# Altium PCB RK_NVR_DEMO1_RK3588_LP4XD200P232SD8_V21_20211228_final_lint.PcbDoc (part 4 of 29) (continued)
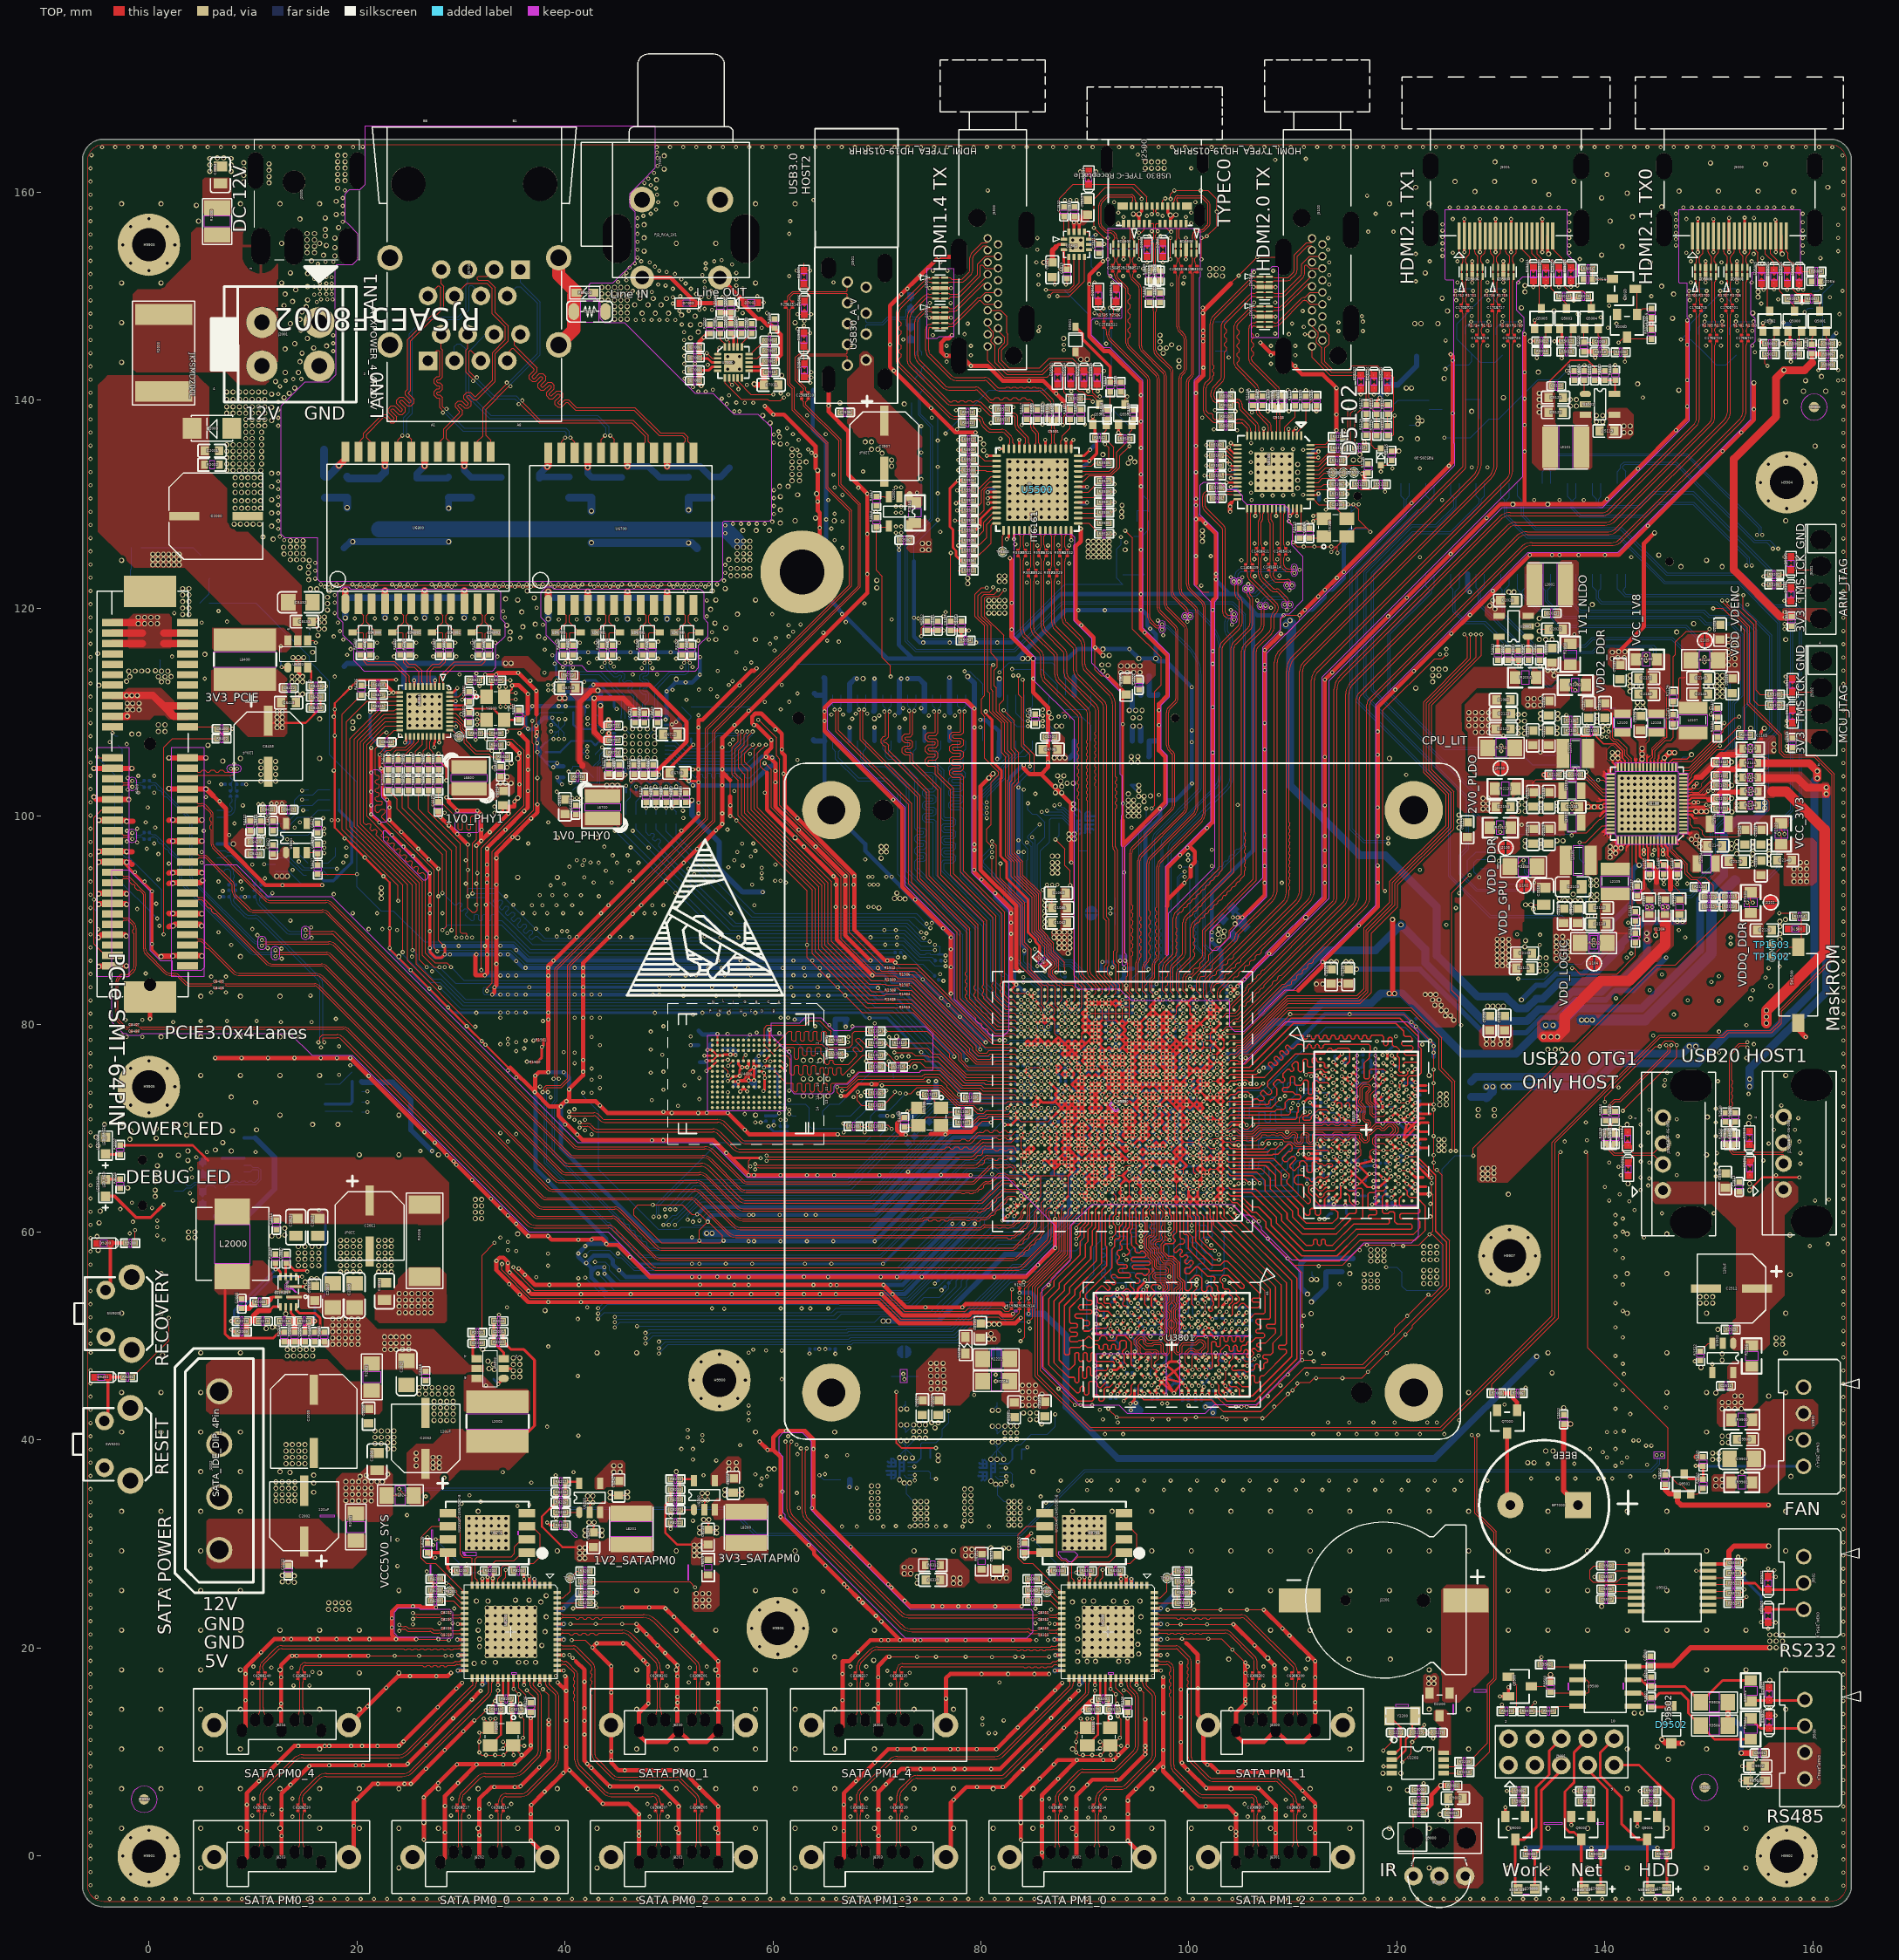
[diagram p0: TOP view]
## Footprints (in the part's own frame and the unit in brackets; to place one, negate y for a bottom-side part, rotate by r counter-clockwise, add the part's x,y. Pads: shape width x height; smd on the part's side, far side on the other; paste and mask are expansions set on the pad) (continued)
Y34(10.725,-1.625)
  TOP lines w0.254: 10.4,10.4 10.075,10.075 ; 10.4,1.3 10.075,0.975 ; 9.75,9.75 9.425,9.425 ; 9.1,9.1 8.775,8.775 ; 3.25,-9.75 2.925,-9.425 ; 1.95,-9.75 1.625,-9.425 ; -1.625,-4.225 -1.95,-4.55 ; -2.275,-4.225 -2.6,-4.55
  TOP keep-out region: -11.5,11.5 -11.5,-11.5 11.5,-11.5 11.5,11.5
  silkscreen extent -12.5,-12.5 12.5,12.5, body extent -11.5,-11.5 11.5,11.5, height 3.81
C0201#1 [mil] "C0201"
  round 1 smd: 1(9.85,0) 2(-9.85,0)
  TOP region: 9.85,-5.91 13.85,-5.91 14.7,-5.58 15.3,-4.89 15.52,-4 15.52,-4 15.52,4.5 15.21,5.22 14.61,5.73 13.85,5.91 13.85,5.91 9.85,5.91 6.9,5.12 4.73,2.95 3.94,0 4.73,-2.95 6.9,-5.12 9.85,-5.91
  TOP region: -9.85,5.91 -13.85,5.91 -14.7,5.58 -15.3,4.89 -15.52,4 -15.52,4 -15.52,-4.5 -15.21,-5.22 -14.61,-5.73 -13.85,-5.91 -13.85,-5.91 -9.85,-5.91 -6.9,-5.12 -4.73,-2.95 -3.94,0 -4.73,2.95 -6.9,5.12 -9.85,5.91
  body extent -22,-12 22,12, height 150
C0201#2 [mil] "C0201"
  round 1 smd: 1(-9.85,0.01) 2(9.85,0.01)
  TOP region: -9.85,5.92 -13.85,5.92 -14.7,5.59 -15.3,4.9 -15.52,4.01 -15.52,4.01 -15.52,-4.49 -15.21,-5.21 -14.61,-5.72 -13.85,-5.9 -13.85,-5.9 -9.85,-5.9 -6.9,-5.11 -4.73,-2.94 -3.94,0.01 -4.73,2.96 -6.9,5.13 -9.85,5.92
  TOP region: 9.85,-5.9 13.85,-5.9 14.7,-5.57 15.3,-4.88 15.52,-3.99 15.52,-3.99 15.52,4.51 15.21,5.23 14.61,5.74 13.85,5.92 13.85,5.92 9.85,5.92 6.9,5.13 4.73,2.96 3.94,0.01 4.73,-2.94 6.9,-5.11 9.85,-5.9
  body extent -22,-12 22,12, height 150
C0201#3 [mil] "C0201"
  round 1 smd: 1(-0.01,-9.86) 2(-0.01,9.85)
  TOP region: -5.91,-9.87 -5.92,-13.87 -5.58,-14.72 -4.89,-15.32 -4,-15.54 -4,-15.54 4.5,-15.54 5.22,-15.23 5.72,-14.63 5.9,-13.87 5.9,-13.87 5.9,-9.87 5.11,-6.92 2.95,-4.76 -0.01,-3.96 -2.96,-4.76 -5.12,-6.92 -5.92,-9.87
  TOP region: 5.9,9.86 5.9,13.85 5.57,14.71 4.88,15.31 3.99,15.53 3.99,15.53 -4.51,15.53 -5.23,15.22 -5.74,14.62 -5.92,13.85 -5.92,13.85 -5.91,9.86 -5.12,6.9 -2.96,4.74 -0.01,3.95 2.95,4.74 5.11,6.9 5.9,9.86
  body extent -22,-12 22,12, height 150
C0201#4 [mil] "C0201"
  round 1 smd: 1(0.01,9.86) 2(0.01,-9.85)
  TOP region: 5.91,9.87 5.92,13.87 5.58,14.72 4.89,15.32 4,15.54 4,15.54 -4.5,15.54 -5.22,15.23 -5.72,14.63 -5.9,13.87 -5.9,13.87 -5.9,9.87 -5.11,6.92 -2.95,4.76 0.01,3.96 2.96,4.76 5.12,6.92 5.92,9.87
  TOP region: -5.9,-9.86 -5.9,-13.85 -5.57,-14.71 -4.88,-15.31 -3.99,-15.53 -3.99,-15.53 4.51,-15.53 5.23,-15.22 5.74,-14.62 5.92,-13.85 5.92,-13.85 5.91,-9.86 5.12,-6.9 2.96,-4.74 0.01,-3.95 -2.95,-4.74 -5.11,-6.9 -5.9,-9.86
  body extent -22,-12 22,12, height 150
C0402#1 [mm] "C0402"
  rect 0.55x0.55 smd: 1(-0.45,0) 2(0.45,0)
  TOP keep-out region: -0.127,-0.381 0.127,-0.381 0.127,0.381 -0.127,0.381
  silkscreen extent -0.9,-0.4 0.9,0.4, body extent -0.9,-0.4 0.9,0.4, height 3.81
C0402#2 [mm] "C0402"
  rect 0.55x0.55 smd: 1(0.45,0) 2(-0.45,0)
  TOP keep-out region: 0.127,0.381 0.127,-0.381 -0.127,-0.381 -0.127,0.381
  silkscreen extent -0.9,-0.4 0.9,0.4, body extent -0.9,-0.4 0.9,0.4, height 3.81
C0402_BGA#1 [mil] "C0402_BGA"
  round 1 smd: 1(-18.5,0) 2(18.5,0)
  TOP region: 19,9.99 18.05,10.04 17.11,9.99 16.17,9.87 15.24,9.66 14.34,9.36 13.47,8.99 12.64,8.54 11.85,8.02 11.11,7.42 10.42,6.77 9.8,6.05 9.25,5.28 8.8,4.38 8.44,3.44 8.17,2.47 7.98,1.48 7.89,0.48 7.89,-0.52 7.98,-1.52 8.17,-2.51 8.44,-3.48 8.8,-4.42 9.25,-5.32 9.78,-6.1 10.38,-6.83 11.05,-7.5 11.79,-8.1 12.57,-8.63 13.41,-9.08 14.28,-9.45 15.18,-9.73 16.11,-9.92 17.05,-10.02 18,-10.03 18.86,-10.04 19.71,-9.95 20.55,-9.78 21.36,-9.52 22.15,-9.17 22.89,-8.75 23.58,-8.25 24.22,-7.68 24.8,-7.04 25.3,-6.35 25.73,-5.61 26.08,-4.83 26.35,-4.01 26.52,-3.17 26.61,-2.32 26.61,2.27 26.53,3.11 26.35,3.94 26.09,4.75 25.75,5.52 25.33,6.26 24.84,6.95 24.28,7.58 23.65,8.15 22.97,8.65 22.24,9.08 21.47,9.44 20.67,9.71 19.84,9.89
  TOP region: -19,-9.99 -18.05,-10.04 -17.11,-9.99 -16.17,-9.87 -15.24,-9.66 -14.34,-9.36 -13.47,-8.99 -12.64,-8.54 -11.85,-8.02 -11.11,-7.42 -10.42,-6.77 -9.8,-6.05 -9.25,-5.28 -8.8,-4.38 -8.44,-3.44 -8.17,-2.47 -7.98,-1.48 -7.89,-0.48 -7.89,0.52 -7.98,1.52 -8.17,2.51 -8.44,3.48 -8.8,4.42 -9.25,5.32 -9.78,6.1 -10.38,6.83 -11.05,7.5 -11.79,8.1 -12.57,8.63 -13.41,9.08 -14.28,9.45 -15.18,9.73 -16.11,9.92 -17.05,10.02 -18,10.03 -18.86,10.04 -19.71,9.95 -20.55,9.78 -21.36,9.52 -22.15,9.17 -22.89,8.75 -23.58,8.25 -24.22,7.68 -24.8,7.04 -25.3,6.35 -25.73,5.61 -26.08,4.83 -26.35,4.01 -26.52,3.17 -26.61,2.32 -26.61,-2.27 -26.53,-3.11 -26.35,-3.94 -26.09,-4.75 -25.75,-5.52 -25.33,-6.26 -24.84,-6.95 -24.28,-7.58 -23.65,-8.15 -22.97,-8.65 -22.24,-9.08 -21.47,-9.44 -20.67,-9.71 -19.84,-9.89
  silkscreen extent -20,-18 20,18, body extent -32,-16 32,16, height 150
C0402_BGA#2 [mil] "C0402_BGA"
  round 1 smd: 1(18.5,0) 2(-18.5,0)
  TOP region: -19,-9.99 -18.05,-10.04 -17.11,-9.99 -16.17,-9.87 -15.24,-9.66 -14.34,-9.36 -13.47,-8.99 -12.64,-8.54 -11.85,-8.02 -11.11,-7.42 -10.42,-6.77 -9.8,-6.05 -9.25,-5.28 -8.8,-4.38 -8.44,-3.44 -8.17,-2.47 -7.98,-1.48 -7.89,-0.48 -7.89,0.52 -7.98,1.52 -8.17,2.51 -8.44,3.48 -8.8,4.42 -9.25,5.32 -9.78,6.1 -10.38,6.83 -11.05,7.5 -11.79,8.1 -12.57,8.63 -13.41,9.08 -14.28,9.45 -15.18,9.73 -16.11,9.92 -17.05,10.02 -18,10.03 -18.86,10.04 -19.71,9.95 -20.55,9.78 -21.36,9.52 -22.15,9.17 -22.89,8.75 -23.58,8.25 -24.22,7.68 -24.8,7.04 -25.3,6.35 -25.73,5.61 -26.08,4.83 -26.35,4.01 -26.52,3.17 -26.61,2.32 -26.61,-2.27 -26.53,-3.11 -26.35,-3.94 -26.09,-4.75 -25.75,-5.52 -25.33,-6.26 -24.84,-6.95 -24.28,-7.58 -23.65,-8.15 -22.97,-8.65 -22.24,-9.08 -21.47,-9.44 -20.67,-9.71 -19.84,-9.89
  TOP region: 19,9.99 18.05,10.04 17.11,9.99 16.17,9.87 15.24,9.66 14.34,9.36 13.47,8.99 12.64,8.54 11.85,8.02 11.11,7.42 10.42,6.77 9.8,6.05 9.25,5.28 8.8,4.38 8.44,3.44 8.17,2.47 7.98,1.48 7.89,0.48 7.89,-0.52 7.98,-1.52 8.17,-2.51 8.44,-3.48 8.8,-4.42 9.25,-5.32 9.78,-6.1 10.38,-6.83 11.05,-7.5 11.79,-8.1 12.57,-8.63 13.41,-9.08 14.28,-9.45 15.18,-9.73 16.11,-9.92 17.05,-10.02 18,-10.03 18.86,-10.04 19.71,-9.95 20.55,-9.78 21.36,-9.52 22.15,-9.17 22.89,-8.75 23.58,-8.25 24.22,-7.68 24.8,-7.04 25.3,-6.35 25.73,-5.61 26.08,-4.83 26.35,-4.01 26.52,-3.17 26.61,-2.32 26.61,2.27 26.53,3.11 26.35,3.94 26.09,4.75 25.75,5.52 25.33,6.26 24.84,6.95 24.28,7.58 23.65,8.15 22.97,8.65 22.24,9.08 21.47,9.44 20.67,9.71 19.84,9.89
  silkscreen extent -20,-18 20,18, body extent -32,-16 32,16, height 150
C0402_BGA#3 [mil] "C0402_BGA"
  round 1 smd: 1(0,18.5) 2(0,-18.5)
  TOP region: 9.99,-19 10.04,-18.06 9.99,-17.12 9.87,-16.18 9.66,-15.25 9.36,-14.34 8.99,-13.47 8.54,-12.64 8.02,-11.85 7.42,-11.12 6.77,-10.42 6.05,-9.8 5.28,-9.26 4.38,-8.8 3.44,-8.44 2.47,-8.17 1.48,-7.98 0.48,-7.89 -0.52,-7.89 -1.52,-7.98 -2.51,-8.17 -3.48,-8.44 -4.42,-8.8 -5.32,-9.25 -6.1,-9.78 -6.83,-10.38 -7.5,-11.05 -8.1,-11.79 -8.63,-12.57 -9.09,-13.41 -9.45,-14.28 -9.73,-15.19 -9.92,-16.11 -10.02,-17.05 -10.03,-18 -10.04,-18.87 -9.96,-19.71 -9.78,-20.56 -9.52,-21.36 -9.17,-22.15 -8.75,-22.9 -8.25,-23.58 -7.68,-24.23 -7.04,-24.81 -6.35,-25.3 -5.61,-25.73 -4.83,-26.09 -4.01,-26.35 -3.17,-26.52 -2.32,-26.62 2.27,-26.61 3.11,-26.53 3.94,-26.35 4.75,-26.09 5.52,-25.75 6.26,-25.34 6.95,-24.84 7.58,-24.28 8.15,-23.65 8.65,-22.97 9.08,-22.25 9.44,-21.47 9.71,-20.67 9.89,-19.84
  TOP region: -9.99,19 -10.04,18.06 -9.99,17.12 -9.87,16.18 -9.66,15.25 -9.36,14.34 -8.99,13.47 -8.54,12.64 -8.02,11.85 -7.42,11.12 -6.77,10.42 -6.05,9.8 -5.28,9.26 -4.38,8.8 -3.44,8.44 -2.47,8.17 -1.48,7.98 -0.48,7.89 0.52,7.89 1.52,7.98 2.51,8.17 3.48,8.44 4.42,8.8 5.32,9.25 6.1,9.78 6.83,10.38 7.5,11.05 8.1,11.79 8.63,12.57 9.09,13.41 9.45,14.28 9.73,15.19 9.92,16.11 10.02,17.05 10.03,18 10.04,18.87 9.96,19.71 9.78,20.56 9.52,21.36 9.17,22.15 8.75,22.9 8.25,23.58 7.68,24.23 7.04,24.81 6.35,25.3 5.61,25.73 4.83,26.09 4.01,26.35 3.17,26.52 2.32,26.62 -2.27,26.61 -3.11,26.53 -3.94,26.35 -4.75,26.09 -5.52,25.75 -6.26,25.34 -6.95,24.84 -7.58,24.28 -8.15,23.65 -8.65,22.97 -9.08,22.25 -9.44,21.47 -9.71,20.67 -9.89,19.84
  silkscreen extent -18,-20 18,20, body extent -32,-16 32,16, height 150
C0402_BGA#4 [mil] "C0402_BGA"
  round 1 smd: 1(0,-18.5) 2(0,18.5)
  TOP region: -9.99,19 -10.04,18.06 -9.99,17.12 -9.87,16.18 -9.66,15.25 -9.36,14.34 -8.99,13.47 -8.54,12.64 -8.02,11.85 -7.42,11.12 -6.77,10.42 -6.05,9.8 -5.28,9.26 -4.38,8.8 -3.44,8.44 -2.47,8.17 -1.48,7.98 -0.48,7.89 0.52,7.89 1.52,7.98 2.51,8.17 3.48,8.44 4.42,8.8 5.32,9.25 6.1,9.78 6.83,10.38 7.5,11.05 8.1,11.79 8.63,12.57 9.09,13.41 9.45,14.28 9.73,15.19 9.92,16.11 10.02,17.05 10.03,18 10.04,18.87 9.96,19.71 9.78,20.56 9.52,21.36 9.17,22.15 8.75,22.9 8.25,23.58 7.68,24.23 7.04,24.81 6.35,25.3 5.61,25.73 4.83,26.09 4.01,26.35 3.17,26.52 2.32,26.62 -2.27,26.61 -3.11,26.53 -3.94,26.35 -4.75,26.09 -5.52,25.75 -6.26,25.34 -6.95,24.84 -7.58,24.28 -8.15,23.65 -8.65,22.97 -9.08,22.25 -9.44,21.47 -9.71,20.67 -9.89,19.84
  TOP region: 9.99,-19 10.04,-18.06 9.99,-17.12 9.87,-16.18 9.66,-15.25 9.36,-14.34 8.99,-13.47 8.54,-12.64 8.02,-11.85 7.42,-11.12 6.77,-10.42 6.05,-9.8 5.28,-9.26 4.38,-8.8 3.44,-8.44 2.47,-8.17 1.48,-7.98 0.48,-7.89 -0.52,-7.89 -1.52,-7.98 -2.51,-8.17 -3.48,-8.44 -4.42,-8.8 -5.32,-9.25 -6.1,-9.78 -6.83,-10.38 -7.5,-11.05 -8.1,-11.79 -8.63,-12.57 -9.09,-13.41 -9.45,-14.28 -9.73,-15.19 -9.92,-16.11 -10.02,-17.05 -10.03,-18 -10.04,-18.87 -9.96,-19.71 -9.78,-20.56 -9.52,-21.36 -9.17,-22.15 -8.75,-22.9 -8.25,-23.58 -7.68,-24.23 -7.04,-24.81 -6.35,-25.3 -5.61,-25.73 -4.83,-26.09 -4.01,-26.35 -3.17,-26.52 -2.32,-26.62 2.27,-26.61 3.11,-26.53 3.94,-26.35 4.75,-26.09 5.52,-25.75 6.26,-25.34 6.95,-24.84 7.58,-24.28 8.15,-23.65 8.65,-22.97 9.08,-22.25 9.44,-21.47 9.71,-20.67 9.89,-19.84
  silkscreen extent -18,-20 18,20, body extent -32,-16 32,16, height 150
C0603#1 [mil] "C0603"
  round 1 smd: 1(0,27.56) 2(0,-27.56)
  TOP region: 17.71,-43.31 17.71,-11.82 -17.71,-11.82 -17.71,-43.31
  TOP region: 17.71,11.82 17.71,43.31 -17.71,43.31 -17.71,11.82
  silkscreen extent -24,-53 24,53, body extent -53,-24 53,24, height 150
C0603#2 [mil] "C0603"
  rect 31.5x35.43 smd: 1(-27.56,0) 2(27.56,0)
  silkscreen extent -53,-24 53,24, body extent -53,-24 53,24, height 150
C0603#3 [mil] "C0603"
  rect 31.5x35.43 smd: 1(27.56,0) 2(-27.56,0)
  silkscreen extent -53,-24 53,24, body extent -53,-24 53,24, height 150
C0805#1 [mm] "C0805"
  rect 0.95x1.3 smd: 1(-0.825,0) 2(0.825,0)
  silkscreen extent -1.7,-0.95 1.7,0.95, body extent -1.7,-0.95 1.7,0.95, height 3.81
C0805#2 [mm] "C0805"
  rect 0.95x1.3 smd: 1(0.825,0) 2(-0.825,0)
  silkscreen extent -1.7,-0.95 1.7,0.95, body extent -1.7,-0.95 1.7,0.95, height 3.81
C1206#1 [mil] "C1206"
  rect 55.12x62.99 smd: 1(-46,0) 2(46,0)
  silkscreen extent -87,-39 87,39, body extent -87,-39 87,39, height 150
C1206#2 [mil] "C1206"
  rect 55.12x62.99 smd: 1(46,0) 2(-46,0)
  silkscreen extent -87,-39 87,39, body extent -87,-39 87,39, height 150
C1206L [mil] "C1206L"
  oval 40x64 smd: 1(-60,0) 2(60,0)
  TOP keep-out region: -35,40 35,40 35,-40 -35,-40
  silkscreen extent -87,-39 87,39, body extent -87,-39 87,39, height 150
CN3M_2R54_V_DIP [mm] "CN3M_2R54_V_DIP"
  oval 1.8x2 hole 1.8 slot 2 at 90 deg: 1(-1.784,0) 2(0.756,0) 3(3.296,0)
  silkscreen extent -4.76,-1.47 4.76,1.47
CN3M_2R54_V_P_DIP [mm] "CN3M_2R54_V_P_DIP"
  round 1.5 hole 1.02: 1(-2.54,-0.577) 2(0,-0.577) 3(2.54,-0.577)
  silkscreen extent -5.2,-2.98 5.2,4.76, body extent -5.2,-2.98 5.2,2.98, height 3.81
CN4M_2R54_V_DIP [mm] "CN4M_2R54_V_DIP"
  oval 1.8x2 hole 1.8 slot 2 at 90 deg: 1(-3.81,0) 2(-1.27,0) 3(1.27,0) 4(3.81,0)
  silkscreen extent -6.08,-2.31 5.28,1.47, body extent -5.33,-1.52 5.33,1.52, height 3.81
CN4M_2R54_V_P_DIP [mil] "CN4M_2R54_V_P_DIP"
  round 59.06 hole 40.16: 1(-150,-22.5) 2(-50,-22.5) 3(50,-22.5) 4(150,-22.5)
  silkscreen extent -255,-117 255,187, body extent -255,-118 255,118, height 150
CNN4F_4R20_V_H_DIP [mm] "CNN4F_4R20_V_H_DIP"
  round 3 hole 1.5: 1(2.682,2.649) 2(6.882,2.649) 3(2.682,-2.851) 4(6.882,-2.851)
  silkscreen extent -2.68,-7.74 10.34,6.23, body extent -2.8,-7.86 10.47,6.36, height 3.81
CNN10M_2R54_V_DIP [mm] "CNN10M_2R54_V_DIP"
  round 1.8 hole 1: 1(-5.102,-1.28) 2(-5.102,1.26) 3(-2.562,-1.28) 4(-2.562,1.26) 5(-0.022,-1.28) 6(-0.022,1.26) 7(2.518,-1.28) 8(2.518,1.26) 9(5.058,-1.28) 10(5.058,1.26)
  silkscreen extent -6.36,-3.35 6.39,2.5, body extent -6.41,-2.51 6.41,2.51, height 3.81
CNN60_0R80_B406 [mm] "CNN60_0R80_B406"
  rect 0.55x2.35 smd: 1(-11.6,4.35) 3(-10.8,4.35) 5(-10,4.35) 7(-9.2,4.35) 9(-8.4,4.35) 11(-7.6,4.35) 13(-6.8,4.35) 15(-6,4.35) 17(-5.2,4.35) 19(-4.4,4.35) 21(-3.6,4.35) 23(-2.8,4.35) 25(-2,4.35) 27(-1.2,4.35) 29(-0.4,4.35) 31(0.4,4.35) 33(1.2,4.35) 35(2,4.35) 37(2.8,4.35) 39(3.6,4.35) 41(4.4,4.35) 43(5.2,4.35) 45(6,4.35) 47(6.8,4.35) 49(7.6,4.35) 51(8.4,4.35) 53(9.2,4.35) 55(10,4.35) 57(10.8,4.35) 59(11.6,4.35)
  rect 0.55x2.65 smd: 2(-11.6,-4.35) 4(-10.8,-4.35) 6(-10,-4.35) 8(-9.2,-4.35) 10(-8.4,-4.35) 12(-7.6,-4.35) 14(-6.8,-4.35) 16(-6,-4.35) 18(-5.2,-4.35) 20(-4.4,-4.35) 22(-3.6,-4.35) 24(-2.8,-4.35) 26(-2,-4.35) 28(-1.2,-4.35) 30(-0.4,-4.35) 32(0.4,-4.35) 34(1.2,-4.35) 36(2,-4.35) 38(2.8,-4.35) 40(3.6,-4.35) 42(4.4,-4.35) 44(5.2,-4.35) 46(6,-4.35) 48(6.8,-4.35) 50(7.6,-4.35) 52(8.4,-4.35) 54(9.2,-4.35) 56(10,-4.35) 58(10.8,-4.35) 60(11.6,-4.35)
  rect 3x4 smd: 61(15.6,0) 62(-15.6,0)
  round 0.8 hole 0.8 unplated: ""(-15,-3.15) ""(15,3.15)
  silkscreen extent -20.6,-9.5 20.6,6.48, body extent -17.63,-4.68 17.63,4.68, height 3.81
CNN80M_0R80_61082 [mm] "CNN80M_0R80_61082"
  rect 0.5x2 smd: 1(15.581,2.2) 2(15.581,-2.2) 3(14.782,2.2) 4(14.782,-2.2) 5(13.981,2.2) 6(13.981,-2.2) 7(13.182,2.2) 8(13.182,-2.2) 9(12.381,2.2) 10(12.381,-2.2) 11(11.581,2.2) 12(11.581,-2.2) 13(10.782,2.2) 14(10.782,-2.2) 15(9.981,2.2) 16(9.981,-2.2) 17(9.181,2.2) 18(9.181,-2.2) 19(8.381,2.2) 20(8.381,-2.2) 21(7.581,2.2) 22(7.581,-2.2) 23(6.782,2.2) 24(6.782,-2.2) 25(5.981,2.2) 26(5.981,-2.2) 27(5.181,2.2) 28(5.181,-2.2) 29(4.381,2.2) 30(4.381,-2.2) 31(3.581,2.2) 32(3.581,-2.2) 33(2.782,2.2) 34(2.782,-2.2) 35(1.981,2.2) 36(1.981,-2.2) 37(1.181,2.2) 38(1.181,-2.2) 39(0.382,2.2) 40(0.382,-2.2) 41(-0.419,2.2) 42(-0.419,-2.2) 43(-1.218,2.2) 44(-1.218,-2.2) 45(-2.019,2.2) 46(-2.019,-2.2) 47(-2.819,2.2) 48(-2.819,-2.2) 49(-3.618,2.2) 50(-3.618,-2.2) 51(-4.419,2.2) 52(-4.419,-2.2) 53(-5.218,2.2) 54(-5.218,-2.2) 55(-6.019,2.2) 56(-6.019,-2.2) 57(-6.819,2.2) 58(-6.819,-2.2) 59(-7.618,2.2) 60(-7.618,-2.2) 61(-8.419,2.2) 62(-8.419,-2.2) 63(-9.218,2.2) 64(-9.218,-2.2) 65(-10.019,2.2) 66(-10.019,-2.2) 67(-10.819,2.2) 68(-10.819,-2.2) 69(-11.618,2.2) 70(-11.618,-2.2) 71(-12.419,2.2) 72(-12.419,-2.2) 73(-13.219,2.2) 74(-13.219,-2.2) 75(-14.019,2.2) 76(-14.019,-2.2) 77(-14.819,2.2) 78(-14.819,-2.2) 79(-15.618,2.2) 80(-15.618,-2.2)
  round 0.8 hole 0.8 unplated: ""(-18.119,0)
  round 1.2 hole 1.2 unplated: ""(18.081,0)
  TOP keep-out region: -16.148,-3.511 -16.148,-0.844 16.11,-0.844 16.11,-3.511
  TOP keep-out region: -16.148,0.889 -16.148,3.556 16.11,3.556 16.11,0.889
  silkscreen extent -19.02,-3 18.98,5.21, body extent -18.99,-3.05 18.99,3.05, height 3.81
CRY2_3R20X1R50X0R90 [mm] "CRY2_3R20X1R50X0R90"
  rect 1x1.8 smd: 1(-1.25,0) 2(1.25,0)
  silkscreen extent -1.6,-0.75 1.6,0.75, body extent -1.8,-0.95 1.8,0.95, height 3.81
CRY4_3R20X2R50X0R80#1 [mm] "CRY4_3R20X2R50X0R80"
  rect 1.4x1.2 smd: 1(-1.1,-0.85) 2(1.1,-0.85) 3(1.1,0.85) 4(-1.1,0.85)
  silkscreen extent -1.6,-2.02 1.6,1.26, body extent -1.85,-1.5 1.85,1.5, height 3.81
CRY4_3R20X2R50X0R80#2 [mm] "CRY4_3R20X2R50X0R80"
  rect 1.4x1.2 smd: 1(1.1,0.85) 2(-1.1,0.85) 3(-1.1,-0.85) 4(1.1,-0.85)
  silkscreen extent -1.6,-1.26 1.6,2.02, body extent -1.85,-1.5 1.85,1.5, height 3.81
DC3_DC_0007_5P [mm] "DC3_DC_0007_5P"
  oval 3.5x1.8 hole 1.8 slot 3.5 at 0 deg: 1(4.25,-4.4) 2(4.25,-1.2) 3(4.25,4)
  oval 3.5x1.5 hole 1.5 slot 3.5 at 0 deg: 4(-3.05,4.9) 5(-3.05,-4.9)
  round 2.2 hole 2.2 unplated: ""(-1.95,-1.2)
  silkscreen extent -6.05,-5 5.55,5.1, body extent -6.05,-5.7 6.05,5.7, height 3.81
DO_214AC [mm] "DO_214AC"
  rect 1.8x2 smd: 1(1.9,0) 2(-1.9,0)
  silkscreen extent -2,-1.25 2,1.25
E_C6 [mil] "E_C6"
  rect 31.5x114.17 smd: 1(0,-96.46) 2(0,96.46)
  silkscreen extent -130,-190 130,130, body extent -130,-130 130,130, height 150
E_E7 [mil] "E_E7"
  rect 114.17x31.5 smd: 1(-120.08,0) 2(120.08,0)
  silkscreen extent -177,-163 177,163, body extent -177,-163 177,163, height 150
ESD0402#1 [mil] "ESD0402"
  round 1 smd: 1(-25,-0.78) 2(24.5,0)
  TOP region: -37.43,12.57 -37.43,-12.47 -12.48,-12.47 -12.48,-8.97 -3.24,0.28 -12.48,9.53 -12.48,9.71 -12.48,12.57
  TOP region: 12.67,12.59 12.67,9.09 12.67,8.94 3.88,0.14 12.67,-8.65 12.67,-9.81 12.67,-12.46 37.74,-12.46 37.74,12.59
  TOP keep-out region: -12.5,12.5 12.5,12.5 12.5,-12.5 -12.5,-12.5
  silkscreen extent -55,-20 45,20, body extent -45,-20 45,20, height 150
ESD0402#2 [mil] "ESD0402"
  round 1 smd: 1(25,0.78) 2(-24.5,0)
  TOP region: 37.43,-12.57 37.43,12.47 12.48,12.47 12.48,8.97 3.24,-0.28 12.48,-9.53 12.48,-9.71 12.48,-12.57
  TOP region: -12.67,-12.59 -12.67,-9.09 -12.67,-8.94 -3.88,-0.14 -12.67,8.65 -12.67,9.81 -12.67,12.46 -37.74,12.46 -37.74,-12.59
  TOP keep-out region: 12.5,-12.5 -12.5,-12.5 -12.5,12.5 12.5,12.5
  silkscreen extent -45,-20 55,20, body extent -45,-20 45,20, height 150
ESD0402#3 [mil] "ESD0402"
  round 1 smd: 1(0.78,-25) 2(0,24.49)
  TOP region: -12.57,-37.43 12.47,-37.43 12.47,-12.48 8.97,-12.48 -0.28,-3.24 -9.52,-12.48 -9.71,-12.48 -12.57,-12.48
  TOP region: -12.59,12.66 -9.09,12.66 -8.93,12.66 -0.14,3.87 8.65,12.66 9.81,12.66 12.47,12.66 12.46,37.73 -12.59,37.73
  TOP keep-out region: -12.5,-12.5 -12.5,12.5 12.5,12.5 12.5,-12.5
  silkscreen extent -20,-55 20,45, body extent -45,-20 45,20, height 150
F8050 [mm] "F8050"
  rect 2x5.5 smd: 1(-3.7,0) 2(3.7,0)
  silkscreen extent -5,-3 5,3, body extent -5.08,-3.05 5.08,3.05, height 3.81
HDMIA19_51R019S [mil] "HDMIA19_51R019S"
  round 31.5 hole 21.65: 1(19.69,81.17) 2(-19.68,103.92) 3(19.69,126.64) 4(-19.68,149.4) 5(19.69,172.11) 6(-19.68,194.87) 7(19.69,217.59) 8(-19.68,240.34) 9(19.69,263.06) 10(-19.68,285.81) 11(19.69,308.53) 12(-19.68,331.29) 13(19.69,354) 14(-19.68,376.76) 15(19.69,399.48) 16(-19.68,422.23) 17(19.69,444.95) 18(-19.68,467.7) 19(19.69,490.42)
  oval 59.06x137.8 hole 59.06 slot 137.8 at 90 deg: 20(127.96,525.85) 21(127.96,151.84) 22(-127.95,49.48) 23(-127.95,403.81)
  round 66.93 hole 66.93 unplated: ""(-78.74,525.85) ""(59.06,4.2)
  silkscreen extent -199,-594 199,579, body extent -201,-597 201,597, height 150
HDMIA19_HDMI_01A [mil] "HDMIA19_HDMI_01A"
  rect 11.81x102.36 smd: 1(-180,-177.5) 2(-160.31,-177.5) 3(-140.63,-177.5) 4(-120.94,-177.5) 5(-101.26,-177.5) 6(-81.57,-177.5) 7(-61.89,-177.5) 8(-42.2,-177.5) 9(-22.52,-177.5) 10(-2.83,-177.5) 11(16.85,-177.5) 12(36.54,-177.5) 13(56.22,-177.5) 14(75.91,-177.5) 15(95.59,-177.5) 16(115.28,-177.5) 17(134.96,-177.5) 18(154.65,-177.5) 19(174.33,-177.5)
  oval 59.06x137.8 hole 59.06 slot 137.8 at 90 deg: 20(282.6,-147.58) 21(-288.27,-147.58)
  oval 59.06x98.43 hole 59.06 slot 98.43 at 90 deg: 22(-288.27,87.07) 23(282.6,87.07)
  silkscreen extent -397,-259 391,425
HOLE_C3R20_C6R00 [mm] "HOLE_C3R20_C6R00"
  round 6 / inner round 3.8 / far side round 6 hole 3.2: 1(0,0)
  body extent -3.01,-3.01 3.01,3.01, height 3.81
IJ3_IRM_3638 [mil] "IJ3_IRM_3638"
  round 70 hole 35.04: 1(-98,0) 2(0,0) 3(98,0)
  silkscreen extent -119,-119 117,69
IND_201610 [mil] "IND_201610"
  rect 31.5x62.99 smd: 1(-35.43,0) 2(35.43,0)
  TOP keep-out region: -18,-35 18,-35 18,35 -18,35
  silkscreen extent -16,-32 16,32, body extent -55,-35 55,35, height 150
IND_303015 [mm] "IND_303015"
  rect 3.4x1.3 smd: 1(0,1.05) 2(0,-1.05)
  TOP keep-out region: -1.742,-0.318 1.75,-0.318 1.75,0.312 -1.742,0.312
  silkscreen extent -2.41,-2.41 2.41,2.41
IND_322512#1 [mm] "IND_322512"
  rect 1.2x2.8 smd: 1(-1.2,0) 2(1.2,0)
  TOP keep-out region: -0.508,-1.397 0.508,-1.397 0.508,1.397 -0.508,1.397
  silkscreen extent -0.39,-1.25 0.38,1.25, body extent -1.8,-1.25 1.8,1.25, height 3.81
IND_322512#2 [mm] "IND_322512"
  rect 1.2x2.8 smd: 1(1.2,0) 2(-1.2,0)
  silkscreen extent -0.38,-1.25 0.39,1.25, body extent -1.8,-1.25 1.8,1.25, height 3.81
IND_322512#3 [mm] "IND_322512"
  rect 1.2x2.8 smd: 1(1.2,0) 2(-1.2,0)
  TOP keep-out region: 0.508,1.397 0.508,-1.397 0,-1.397 0,-0.61 -0.102,-0.508 -0.102,0.991 -0.508,1.397
  silkscreen extent -0.38,-1.25 0.39,1.25, body extent -1.8,-1.25 1.8,1.25, height 3.81
IND_404026#1 [mm] "IND_404026"
  rect 1.5x4 smd: 1(-1.5,0) 2(1.5,0)
  TOP keep-out region: -0.694,2.043 -0.694,-2.042 0.687,-2.042 0.687,2.043
  silkscreen extent -2.1,-2.1 2.1,2.1, body extent -2.29,-2.03 2.29,2.03, height 3.81
IND_404026#2 [mm] "IND_404026"
  rect 1.5x4 smd: 1(1.5,0) 2(-1.5,0)
  TOP keep-out region: 0.694,-2.043 0.694,2.042 -0.687,2.042 -0.687,-2.043
  silkscreen extent -2.1,-2.1 2.1,2.1, body extent -2.29,-2.03 2.29,2.03, height 3.81
IND_606045 [mm] "IND_606045"
  rect 2.2x6 smd: 1(-1.9,0) 2(1.9,0)
  TOP keep-out region: -0.711,-3.048 0.711,-3.048 0.711,2.997 -0.711,2.997
  silkscreen extent -0.61,-3 0.6,3, body extent -3.05,-3.05 3.05,3.05, height 3.81
IND_707028 [mm] "IND_707028"
  rect 2.5x3.4 smd: 1(-3.1,0) 2(3.1,0)
  TOP keep-out region: -1.88,1.727 -1.88,-1.727 1.829,-1.727 1.829,1.727
  silkscreen extent -3.5,-3.5 3.5,3.5, body extent -4.4,-3.56 4.4,3.56, height 3.81
L0603#1 [mil] "L0603"
  rect 37.99x31.5 smd: 1(-31.5,0) 2(31.5,0)
  silkscreen extent -57,-24 57,24, body extent -52,-18 52,18, height 150
L0603#2 [mil] "L0603"
  rect 37.99x31.5 smd: 1(31.5,0) 2(-31.5,0)
  silkscreen extent -57,-24 57,24
LED0603 [mil] "LED0603"
  rect 35.43x35.43 smd: 1(-31.5,0) 2(31.5,0)
  silkscreen extent -85,-26 55,26, body extent -49,-18 49,18, height 150
MARK [mm] "MARK"
  round 1 smd: 1(0,0)
  TOP keep-out region: -1.261,0 -1.218,0.326 -1.092,0.63 -0.891,0.891 -0.63,1.092 -0.326,1.218 0,1.261 0.326,1.218 0.63,1.092 0.63,1.092 0.891,0.891 1.092,0.63 1.218,0.326 1.261,0 1.218,-0.326 1.092,-0.63 0.891,-0.891 0.63,-1.092 0.63,-1.092 0.326,-1.218 0,-1.261 -0.326,-1.218 -0.63,-1.092 -0.891,-0.891 -1.092,-0.63 -1.218,-0.326 -1.261,0
  TOP keep-out region: -1.261,0 -1.218,0.326 -1.092,0.63 -0.891,0.891 -0.63,1.092 -0.326,1.218 0,1.261 0.326,1.218 0.63,1.092 0.63,1.092 0.891,0.891 1.092,0.63 1.218,0.326 1.261,0 1.218,-0.326 1.092,-0.63 0.891,-0.891 0.63,-1.092 0.63,-1.092 0.326,-1.218 0,-1.261 -0.326,-1.218 -0.63,-1.092 -0.891,-0.891 -1.092,-0.63 -1.218,-0.326 -1.261,0
  body extent -1.26,-1.26 1.26,1.26, height 3.81
MLP14_2R50X2R50X0R80 [mm] "MLP14_2R50X2R50X0R80"
  rect 0.6x0.3 smd: 1(-1.21,0.5) 2(-1.21,0) 3(-1.21,-0.5) 8(1.21,-0.5) 9(1.21,0) 10(1.21,0.5)
  rect 0.3x0.6 smd: 4(-0.75,-1.21) 5(-0.25,-1.21) 6(0.25,-1.21) 7(0.75,-1.21) 11(0.75,1.21) 12(0.25,1.21) 13(-0.25,1.21) 14(-0.75,1.21)
  rect 1.45x1.45 smd: 15(0,0)
  silkscreen extent -2.26,-1.25 1.25,1.25
OPEN#1 [mil] "OPEN"
  round 1 smd: 1(0,-14.7) 2(0,12.3)
  TOP region: 23.6,2.3 -23.6,2.3 -21.26,12.54 -14.71,20.75 -5.25,25.31 5.25,25.31 14.71,20.75 21.26,12.54 23.6,2.3
  TOP region: -23.6,-4.7 23.6,-4.7 21.26,-14.94 14.71,-23.15 5.25,-27.71 -5.25,-27.71 -14.71,-23.15 -21.26,-14.94 -23.6,-4.7
  silkscreen extent -28,-29 28,28, body extent -29,-29 29,29, height 150
OPEN#2 [mil] "OPEN"
  round 1 smd: 1(0,14.7) 2(0,-12.3)
  TOP region: 23.6,4.7 -23.6,4.7 -21.26,14.94 -14.71,23.15 -5.25,27.71 5.25,27.71 14.71,23.15 21.26,14.94 23.6,4.7
  TOP region: -23.6,-2.3 23.6,-2.3 21.26,-12.54 14.71,-20.75 5.25,-25.31 -5.25,-25.31 -14.71,-20.75 -21.26,-12.54 -23.6,-2.3
  silkscreen extent -28,-28 28,29, body extent -29,-29 29,29, height 150
PCIE64_X4_SMT [mm] "PCIE64_X4_SMT"
  rect 3x5 smd: 1(-19.5,0.258) 2(19.5,0.258)
  rect 0.7x2 smd: A1(-16.5,3.857) A2(-15.5,3.857) A3(-14.5,3.857) A4(-13.5,3.857) A5(-12.5,3.857) A6(-11.5,3.857) A7(-10.5,3.857) A8(-9.5,3.857) A9(-8.5,3.857) A10(-7.5,3.857) A11(-6.5,3.857) A12(-3.5,3.857) A13(-2.5,3.857) A14(-1.5,3.857) A15(-0.5,3.857) A16(0.5,3.857) A17(1.5,3.857) A18(2.5,3.857) A19(3.5,3.857) A20(4.5,3.857) A21(5.5,3.857) A22(6.5,3.857) A23(7.5,3.857) A24(8.5,3.857) A25(9.5,3.857) A26(10.5,3.857) A27(11.5,3.857) A28(12.5,3.857) A29(13.5,3.857) A30(14.5,3.857) A31(15.5,3.857) A32(16.5,3.857) B1(-16.5,-3.342) B2(-15.5,-3.342) B3(-14.5,-3.342) B4(-13.5,-3.342) B5(-12.5,-3.342) B6(-11.5,-3.342) B7(-10.5,-3.342) B8(-9.5,-3.342) B9(-8.5,-3.342) B10(-7.5,-3.342) B11(-6.5,-3.342) B12(-3.5,-3.342) B13(-2.5,-3.342) B14(-1.5,-3.342) B15(-0.5,-3.342) B16(0.5,-3.342) B17(1.5,-3.342) B18(2.5,-3.342) B19(3.5,-3.342) B20(4.5,-3.342) B21(5.5,-3.342) B22(6.5,-3.342) B23(7.5,-3.342) B24(8.5,-3.342) B25(9.5,-3.342) B26(10.5,-3.342) B27(11.5,-3.342) B28(12.5,-3.342) B29(13.5,-3.342) B30(14.5,-3.342) B31(15.5,-3.342) B32(16.5,-3.342)
  round 1.2 hole 1.2 unplated: ""(-4.85,0.258) ""(18.3,0.258)
  TOP keep-out region: -4.469,-1.735 -4.469,-4.91 17.502,-4.91 17.502,-1.735
  TOP keep-out region: -4.469,5.465 -4.469,2.29 17.502,2.29 17.502,5.465
  silkscreen extent -19.55,-4.84 19.45,3.94, body extent -21.05,-4.91 21.05,4.91, height 3.81
PJ3_RCA_2X1 [mm] "PJ3_RCA_2X1"
  round 2.5 hole 1.5: 1(-3.75,1) 4(3.75,1)
  round 2.3 hole 1.3: 2(-3.75,-6.5) 3(3.75,-6.5)
  oval 2.7x4.7 hole 2.7 slot 4.7 at 90 deg: ""(-6.15,-2.75) ""(6.15,-2.75)
  silkscreen extent -9.6,-6.5 6.6,15
QFN12_2R00X3R00X1R00 [mm] "QFN12_2R00X3R00X1R00"
  rect 1.5x0.25 smd: 1(-0.55,0.5) 2(-0.55,-0.5) 7(0.55,0)
  rect 0.25x0.7 smd: 3(-0.75,-1.45) 4(-0.25,-1.45) 5(0.25,-1.45) 6(0.75,-1.45) 9(0.75,1.45) 10(0.25,1.45) 11(-0.25,1.45) 12(-0.75,1.45)
  rect 0.7x0.25 smd: 8(0.95,0.5)
  silkscreen extent -1.81,-1.5 1,1.5, body extent -1.33,-1.6 1.33,1.6, height 3.81